# Altium PCB PM.PcbDoc (part 1 of 2) (continued)
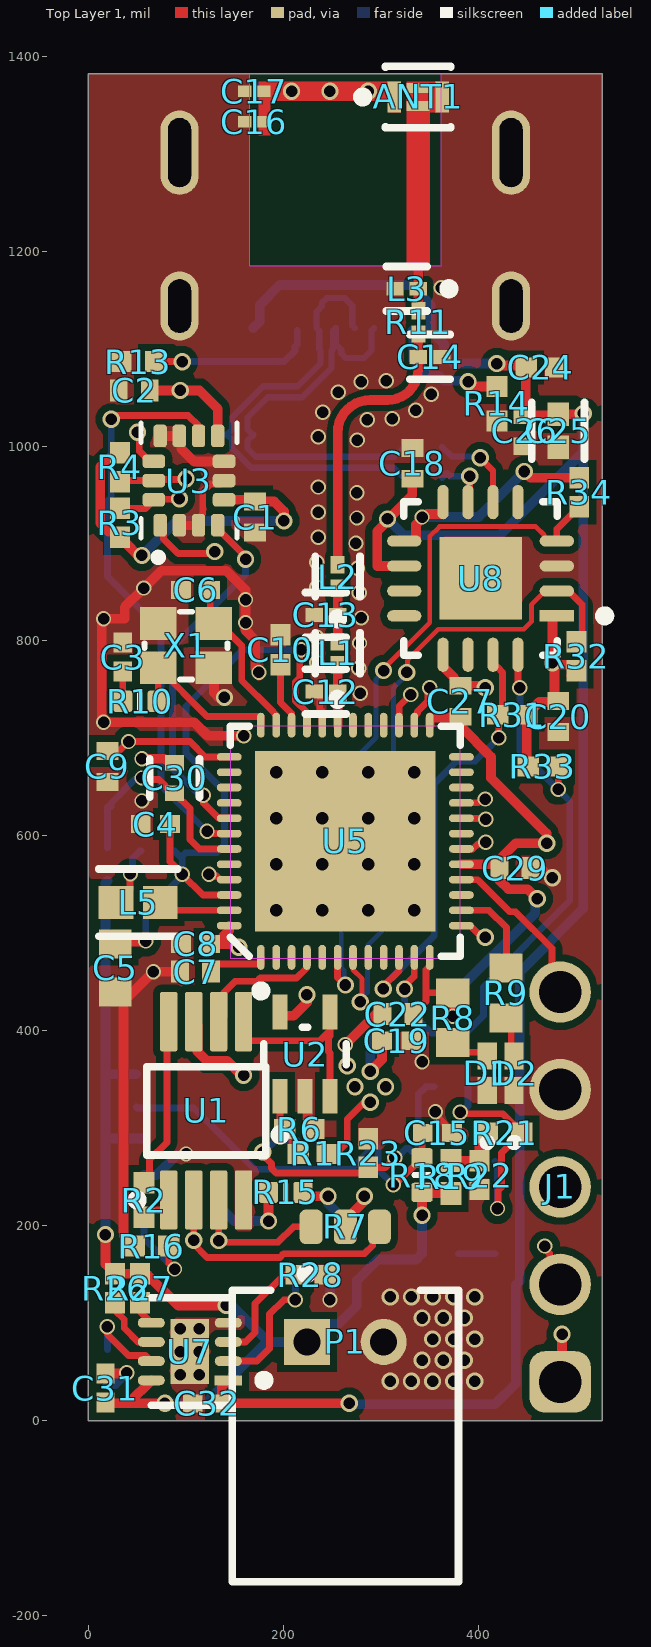
[diagram p0: Top Layer 1 view]
## Components (designator, comment, footprint, x,y, rotation, side; value= is the part's Value field where it differs from the comment) (continued)
R10 "ERJ-2GE0R00X" RESC0402(1005)_L 53.15,738.19 r180 top value=0
R11 "ERJ-1GN0R00C" FP-ERJ1GN-IPC_B 338.74,1126.97 r90 top value=0
R13 "ERJ-2GEJ512X" RESC1005X40X25NL05T05 51.18,1086.61 r180 top value=5.1k
R14 "ERJ-2GEJ512X" RESC1005X40X25NL05T05 419.29,1043.31 r270 top value=5.1k
R15 "ERJ-2GE0R00X" RESC0402(1005)_L 202.76,234.25 r180 top value=0
R16 "Resistor 100k +/-1% 0402 100 mW" RESC1005X40X25NL05T05 64.96,179.13 r0 top value=100k
R17 "RC0402FR-071RL" RESC1005X40X25NL05T10 49.21,338.58 r270 bottom value=1
R18 "ERJ-2GE0R00X" RESC0402(1005)_L 342.52,251.97 r90 top value=0
R19 "RC0402FR-0717K8L" RESC1005X40X25NL05T10 372.05,250 r90 top value=17.8k
R20 "RC0402FR-0710ML" RESC1005X40N 372.05,342.52 r180 bottom value=10M
R21 "Resistor 100k +/-1% 0402 100 mW" RESC1005X40X25NL05T05 427.17,295.28 r0 top value=100k
R22 "ERA-2AEB103X" FP-ERA2A-IPC_C 401.57,251.97 r270 top value=10k
R23 "ERA-2AEB103X" FP-ERA2A-IPC_C 287.4,274.61 r90 top value=10k
R24 "RC0402FR-0710ML" RESC1005X40N 19.68,570.87 r270 bottom value=10M
R25 "CRCW04022M20FKED" FP-CRCW0402-e3-IPC_B 19.68,647.64 r90 bottom value=2.2M
R26 "ERA-2AEB103X" FP-ERA2A-IPC_C 27.56,135.83 r90 top value=10k
R27 "ERA-2AEB103X" FP-ERA2A-IPC_C 53.15,135.83 r90 top value=10k
R28 "ERA-2AEB103X" FP-ERA2A-IPC_C 228.35,149.61 r0 top value=10k
R29 "ERJ-2RKF6040X" RESC1005X40X25NL05T05 230.32,149.61 r180 bottom value=604
R30 "ERJ-2RKF2702X" RESC1005X40X25NL05T05 19.68,55.12 r90 bottom value=27k
R31 "ERA-2AEB103X" FP-ERA2A-IPC_C 435.04,724.41 r180 top value=10k
R32 "ERA-2AEB103X" FP-ERA2A-IPC_C 500.98,784.45 r90 top value=10k
R33 "ERA-2AEB103X" FP-ERA2A-IPC_C 466.54,671.26 r0 top value=10k
R34 "ERA-2AEB103X" FP-ERA2A-IPC_C 503.94,952.76 r270 top value=10k
R35 "ERJ-2GEJ270X" RESC1005X40X25ML05T05 343.5,967.52 r0 bottom value=27
R36 "ERJ-2GEJ270X" RESC1005X40X25ML05T05 343.5,999.02 r0 bottom value=27
U1 "INA333AIDGKR" DGK0008A_M 121.06,317.91 r90 top
U2 "OPA333AIDCKR" FP-DCK0005A-MFG 222.44,375.98 r90 top locked
U3 "ICM-42688-P" PQFN50P300X250X97-14N 103.35,964.57 r90 top
U4 "INA138NA/3K" FP-DBV0005A-IPC_C 98.43,251.97 r0 bottom
U5 "nRF52840-QFAA" QFN40P600X600X90-48N 263.78,594.49 r90 top locked
U6 "MCP65R41T-1202E/CHY" SOT-23-CHY6_M 379.92,218.5 r270 bottom
U7 "BQ25170DSGR" FP-DSG0008A-IPC_B 104.21,70.87 r180 top
U8 "FT230XQ-R" FP-QFN-16-IPC_A 402.56,864.17 r180 top
X1 "FA-128 32.0000MF20X-K5" BT-XTAL_2016 100.39,795.28 r180 top

## Footprints (in the part's own frame and the unit in brackets; to place one, negate y for a bottom-side part, rotate by r counter-clockwise, add the part's x,y. Pads: shape width x height; smd on the part's side, far side on the other; paste and mask are expansions set on the pad)
61300511121 [mm] "Pin Header, pitch 2.54 mm, THT, Vertical, single row, 5p"
  rrect50% 1.6x1.6 hole 1.1: 1(-5.08,0)
  round 1.6 hole 1.1: 2(-2.54,0) 3(0,0) 4(2.54,0) 5(5.08,0)
BF350-3HA-E-Footprint-1 [mm]
  rrect50% 0.6x0.9 smd: 1(0,0) 2(-0.889,0) 3(0.889,0)
BT-XTAL_2016 [mm]
  rect 0.95x0.85 smd: 1(-0.725,-0.575) 2(0.725,-0.575) 3(0.725,0.575) 4(-0.725,0.575)
  silkscreen extent -1.08,-0.88 1.08,0.88, body extent -1.05,-0.85 1.05,0.85, height 0.56
CAPC0402(1005)33_L [mm] "Chip Capacitor, Body 1.0x0.5mm, Height 0.33mm, IPC High Density"
  rrect25% 0.5x0.55 smd: 1(-0.45,0) 2(0.45,0)
  silkscreen extent 0,-0.2 0,0.2, body extent -0.5,-0.25 0.5,0.25, height 0.55
CAPC1005X55X25LL05T10 [mm] "Chip Capacitor, 2-Leads, Body 1.00x0.50mm, IPC High Density"
  rect 0.56x0.52 smd: 1(-0.39,0) 2(0.39,0)
  body extent -0.53,-0.28 0.53,0.28, height 0.55
CAPC1608X90X35LL10T15 [mm] "Chip Capacitor, 2-Leads, Body 1.60x0.80mm, IPC High Density"
  rect 0.75x0.85 smd: 1(-0.625,0) 2(0.625,0)
  body extent -0.85,-0.45 0.85,0.45, height 0.9
DGK0008A_M [mm] "TSOP, 8-Leads, Body 3.1x3.1mm, Pitch 0.65mm, IPC Low Density"
  rrect22% 1.55x0.45 smd: 1(-2.325,0.975) 2(-2.325,0.325) 3(-2.325,-0.325) 4(-2.325,-0.975) 5(2.325,-0.975) 6(2.325,-0.325) 7(2.325,0.325) 8(2.325,0.975)
  silkscreen extent -2.45,-1.55 1.15,1.92, body extent -2.45,-1.5 2.45,1.5, height 0.94
FP-2171790001-MFG [mm]
  rect 0.6x1.15 smd paste+0 mask+0: A1-B12(-3.2,3.425) A4-B9(-2.4,3.425) B1-A12(3.2,3.425) B4-A9(2.4,3.425)
  rect 0.3x1.15 smd paste+0 mask+0: A5(-1.25,3.425) A6(-0.25,3.425) A7(0.25,3.425) A8(1.25,3.425) B5(1.75,3.425) B6(0.75,3.425) B7(-0.75,3.425) B8(-1.75,3.425)
  rrect100% 1x1.8 hole 1.4 slot 0.6 at 0 deg paste-2539.97 mask+0: SH1(-4.32,2.85) SH2(4.32,2.85)
  rrect100% 1x2.2 hole 1.8 slot 0.6 at 0 deg paste-2539.97 mask+0: SH3(-4.32,-1.15) SH4(4.32,-1.15)
  silkscreen extent -4.57,-3.35 4.57,4.7, body extent -4.47,-3.25 4.47,3.5, height 3.36
FP-ANT016-MFG [mm]
  rect 0.35x0.8 smd paste+0 mask+0: 1(-0.625,0) 4(0.625,0)
  rect 0.6x0.26 smd paste+0 mask+0: 2-3(0,-0.235) 5-6(0,0.235)
  silkscreen extent -1.57,-0.8 0.85,0.8, body extent -0.95,-0.55 0.95,0.55, height 0.25
FP-CRCW0402-e3-IPC_B [mil]
  rect 22.37x22.54 smd paste+0 mask+0: 1(-17.8,0) 2(17.8,0)
  body extent -20,-10 20,10, height 16
FP-DBV0005A-IPC_C [mm]
  rect 1.205x0.532 smd paste+0 mask+0: 1(-1.05,0.95)
  rrect100% 1.205x0.532 smd paste+0 mask+0: 2(-1.05,0) 3(-1.05,-0.95) 4(1.05,-0.95) 5(1.05,0.95)
  silkscreen extent -2.28,-1.45 0.05,1.45, body extent -1.4,-1.45 1.4,1.45, height 1.45
FP-DCK0005A-MFG [mm]
  rect 0.9x0.4 smd paste-1000 mask+0: 1(-1.1,0.65) 2(-1.1,0) 3(-1.1,-0.65) 4(1.1,-0.65) 5(1.1,0.65)
  silkscreen extent -2.22,-1.07 0.7,1.07, body extent -1.65,-1.33 1.65,1.33, height 0.25
FP-DSG0008A-IPC_B [mm]
  rect 0.706x0.257 smd paste+0 mask+0: 1(-1.003,0.75)
  rrect100% 0.706x0.257 smd paste+0 mask+0: 2(-1.003,0.25) 3(-1.003,-0.25) 4(-1.003,-0.75) 5(1.003,-0.75) 6(1.003,-0.25) 7(1.003,0.25) 8(1.003,0.75)
  rect 1x1.7 smd paste-1000 mask+0: 9(0,0)
  silkscreen extent -2.06,-1.4 1,1.4, body extent -1,-1 1,1, height 0.8
FP-ERA2A-IPC_C [mil]
  rect 22.03x20.31 smd paste+0 mask+0: 1(-14.81,0) 2(14.81,0)
  body extent -20,-10 20,10, height 16
FP-ERJ1GN-IPC_B [mil]
  rect 17.88x14.28 smd paste+0 mask+0: 1(-11.98,0) 2(11.98,0)
  body extent -27,-13 27,13, height 10
FP-ERJ3EK-IPC_C [mil]
  rect 29.78x33.94 smd paste+0 mask+0: 1(-25.62,0) 2(25.62,0)
  body extent -44,-23 44,23, height 10
FP-GJM033-0_03-ANT [mm]
  rect 0.35x0.3 smd paste+0 mask+0: 1(-0.25,0) 2(0.25,0)
  body extent -0.5,-0.27 0.5,0.26, height 0.25
FP-GJM033-0_03-IPC_B [mil]
  rect 17.88x14.28 smd paste+0 mask+0: 1(-11.98,0) 2(11.98,0)
  silkscreen extent -21,-23 21,23, body extent -27,-13 27,13, height 10
FP-GRM15-IPC_B [mil]
  rect 18.32x22.54 smd paste+0 mask+0: 1(-15.89,0) 2(15.89,0)
  body extent -12,-6 12,6, height 13
FP-GRM155-0_05-IPC_B [mil]
  rect 24.23x22.54 smd paste+0 mask+0: 1(-16.87,0) 2(16.87,0)
  silkscreen extent -29,-27 29,27, body extent -20,-10 20,10, height 22
FP-GRM155-0_05-IPC_C [mil]
  rect 20.29x18.6 smd paste+0 mask+0: 1(-14.9,0) 2(14.9,0)
  body extent -29,-15 29,15, height 10
FP-GRM155-0_05-MFG [mm]
  rect 0.4x0.5 smd paste+0 mask+0: 1(-0.4,0) 2(0.4,0)
  silkscreen extent -0.5,-0.65 0.5,0.65, body extent -0.7,-0.38 0.7,0.38, height 0.25
FP-LQG15HH_02-IPC_B [mil]
  rect 24.23x22.54 smd paste+0 mask+0: 1(-16.87,0) 2(16.87,0)
  silkscreen extent -59,-27 29,27, body extent -20,-10 20,10, height 22
FP-LQM18DN_70-IPC_C [mil]
  rect 35.67x33.79 smd paste+0 mask+0: 1(-22.68,0) 2(22.68,0)
  silkscreen extent -41,-34 41,34, body extent -44,-23 44,23, height 10
FP-LQP03PN_02-IPC_B [mil]
  rect 17.88x14.28 smd paste+0 mask+0: 1(-11.98,0) 2(11.98,0)
  silkscreen extent -52,-23 21,23, body extent -27,-13 27,13, height 10
FP-LQP03TG_02-IPC_B [mil]
  rect 17.88x14.28 smd paste+0 mask+0: 1(-11.98,0) 2(11.98,0)
  silkscreen extent -48,-23 21,23, body extent -27,-13 27,13, height 10
FP-QFN-16-IPC_A [mm]
  rect 0.894x0.292 smd paste+0 mask+0: 1(-1.989,0.975)
  rrect100% 0.894x0.292 smd paste+0 mask+0: 2(-1.989,0.325) 3(-1.989,-0.325) 4(-1.989,-0.975) 9(1.989,-0.975) 10(1.989,-0.325) 11(1.989,0.325) 12(1.989,0.975)
  rrect100% 0.292x0.894 smd paste+0 mask+0: 5(-0.975,-1.989) 6(-0.325,-1.989) 7(0.325,-1.989) 8(0.975,-1.989) 13(0.975,1.989) 14(0.325,1.989) 15(-0.325,1.989) 16(-0.975,1.989)
  rect 2.15x2.15 smd paste-1000 mask+0: 17(0,0)
  silkscreen extent -3.36,-2 2,2, body extent -2,-2 2,2, height 0.8
JST-S2B-PH-K-S_V [mm] "THD, 2-Leads, Body 7.6x5.9mm, Pitch 2mm"
  rect 1.2x1.2 hole 0.7: 1(-1,2.45)
  round 1.2 hole 0.7: 2(1,2.45)
  silkscreen extent -2.95,-3.8 2.95,4.35, body extent -2.95,-3.8 2.95,3.8, height 4.8
LED_APHHS1005LCGCK [mm]
  rect 0.7x0.5 smd mask+0.05: 1(-0.45,0) 2(0.45,0)
  silkscreen extent -1.9,-0.1 -1.7,0.1, body extent -0.5,-0.25 0.5,0.25, height 0.5
PQFN50P300X250X97-14N [mm]
  rrect50% 0.59x0.35 smd mask+0: 1(-1.165,0.75) 2(-1.165,0.25) 3(-1.165,-0.25) 4(-1.165,-0.75) 8(1.165,-0.75) 9(1.165,-0.25) 10(1.165,0.25) 11(1.165,0.75)
  rrect50% 0.35x0.59 smd mask+0: 5(-0.5,-0.915) 6(0,-0.915) 7(0.5,-0.915) 12(0.5,0.915) 13(0,0.915) 14(-0.5,0.915)
  silkscreen extent -2.1,-1.25 1.5,1.25, body extent -1.5,-1.25 1.5,1.25, height 0.97
QFN40P600X600X90-48N [mm]
  oval 0.65x0.2 smd: 1(-3.025,2.2) 2(-3.025,1.8) 3(-3.025,1.4) 4(-3.025,1) 5(-3.025,0.6) 6(-3.025,0.2) 7(-3.025,-0.2) 8(-3.025,-0.6) 9(-3.025,-1) 10(-3.025,-1.4) 11(-3.025,-1.8) 12(-3.025,-2.2) 25(3.025,-2.2) 26(3.025,-1.8) 27(3.025,-1.4) 28(3.025,-1) 29(3.025,-0.6) 30(3.025,-0.2) 31(3.025,0.2) 32(3.025,0.6) 33(3.025,1) 34(3.025,1.4) 35(3.025,1.8) 36(3.025,2.2)
  oval 0.2x0.65 smd: 13(-2.2,-3.025) 14(-1.8,-3.025) 15(-1.4,-3.025) 16(-1,-3.025) 17(-0.6,-3.025) 18(-0.2,-3.025) 19(0.2,-3.025) 20(0.6,-3.025) 21(1,-3.025) 22(1.4,-3.025) 23(1.8,-3.025) 24(2.2,-3.025) 37(2.2,3.025) 38(1.8,3.025) 39(1.4,3.025) 40(1,3.025) 41(0.6,3.025) 42(0.2,3.025) 43(-0.2,3.025) 44(-0.6,3.025) 45(-1,3.025) 46(-1.4,3.025) 47(-1.8,3.025) 48(-2.2,3.025)
  rect 4.7x4.7 smd: 49(0,0)
  silkscreen extent -4.02,-3 3,3, body extent -3.02,-3.02 3.02,3.02, height 0.86
RESC0402(1005)_L [mm] "Chip Resistor, Body 1.0x0.5mm, IPC High Density"
  rrect25% 0.5x0.55 smd: 1(-0.45,0) 2(0.45,0)
  silkscreen extent 0,-0.2 0,0.2, body extent -0.5,-0.25 0.5,0.25, height 0.3
RESC1005X40N [mm]
  rect 0.54x0.6 smd: 1(-0.432,0) 2(0.432,0)
RESC1005X40X25ML05T05 [mm] "Chip Resistor, 2-Leads, Body 1.00x0.50mm, IPC Low Density"
  rect 0.65x0.65 smd: 1(-0.5,0) 2(0.5,0)
  body extent -0.53,-0.27 0.53,0.28, height 0.4
RESC1005X40X25NL05T05 [mm] "Chip Resistor, 2-Leads, Body 1.00x0.50mm, IPC Medium Density"
  rect 0.55x0.55 smd: 1(-0.45,0) 2(0.45,0)
  body extent -0.53,-0.27 0.53,0.28, height 0.4
RESC1005X40X25NL05T10 [mm] "Chip Resistor, 2-Leads, Body 1.00x0.50mm, IPC Medium Density"
  rect 0.6x0.55 smd: 1(-0.425,0) 2(0.425,0)
  body extent -0.53,-0.27 0.53,0.28, height 0.4
SOT95P280X130-5N [mm]
  rect 0.9x0.6 smd: 1(-1.4,0.95) 2(-1.4,0) 3(-1.4,-0.95) 4(1.4,-0.95) 5(1.4,0.95)
  silkscreen extent -1.85,-1.45 0.6,1.5
SOT-23-CHY6_M [mm] "SOT23, 6-Leads, Body 2.9x1.7mm, Pitch 0.95mm, Lead Span 2.8mm, IPC Low Density"
  rect 1.3x0.7 smd: 1(-1.2,0.95) 2(-1.2,0) 3(-1.2,-0.95) 4(1.2,-0.95) 5(1.2,0) 6(1.2,0.95)
  silkscreen extent -1.32,-1.55 0.15,1.97, body extent -0.9,-1.55 0.9,1.55, height 1.45

## Part data
ANT1: library part CMP-00025-00005-2, "RF/Microwave Antenna, 2400MHz Min, 2484MHz Max", Max Operating Temperature=85°C, Min Operating Temperature=-40°C, Characteristic Impedance=50R, Construction=COMPONENT, RoHS Compliant=Yes
B1: library part CMP-037-000000-1, "LDO Voltage Regulators 700mA High Speed Votage Regulator", Manufacturer_Name=Torex, Mouser Part Number=865-XC6210B332MR-G, Datasheet Link=https://www.torexsemi.com/file/xc6210/XC6210.pdf, Design Item ID=XC6210B332MR-G, Geometry.Height=1.3mm, Manufacturer_Part_Number=XC6210B332MR-G, Mouser Price/Stock=https://www.mouser.co.uk/ProductDetail/Torex-Semiconductor/XC6210B332MR-G?qs=AsjdqWjXhJ%2FS4LOuBYdYHQ%3D%3D, Source=XC6210B332MR-G.SchLib
C1 C2 C7 C9 C18 C20 C22 C26 C27 C29: library part CMP-001-00099-3, "Ceramic Capacitor, Multilayer, Ceramic, 16V, 10% +Tol, 10% -Tol, X7R, 15% TC, 0.1uF, Surface Mount, 0402", Capacitor Type=Ceramic, Case/Package=0402, Max Operating Temperature=125°C, Min Operating Temperature=-55°C, Package Shape=Rectangular, Package Style=SMTMeter, Rated DC Voltage (URdc)=16V, Temperature Characteristics Code=X7R, Tolerance  (fill in as +-)=10%, Dielectric Material=Ceramic, Height=0.5mm, JESD-609 Code=e3, Length=1mm, Mounting Technology="Surface Mount", Multilayer=Yes, Packaging="Tape and Reel", Pins=2, Reach SVHC Compliant=Yes, RoHS Compliant=Yes, Terminal Finish=Nickel, Termination=Wraparound, Tolerance (fill in as +-)=10%, Width=0.5mm
C3 C6: library part CMP-001-00103-1, "Ceramic Capacitor, Multilayer, Ceramic, 50V, 1% +Tol, 1% -Tol, C0G, 30ppm/Cel TC, 0.00001uF, Surface Mount, 0402", Capacitor Type=Ceramic, Case/Package=0402, Max Operating Temperature=125°C, Min Operating Temperature=-55°C, Package Shape=Rectangular, Rated DC Voltage (URdc)=50V, Temperature Characteristics Code=C0G, Tolerance  (fill in as +-)=1%, Dielectric Material=Ceramic, JESD-609 Code=e3, Mounting Technology="Surface Mount", Multilayer=Yes, Packaging="Tape and Reel", Pins=2, Reach SVHC Compliant=Yes, RoHS Compliant=Yes, Terminal Finish=Nickel, Termination=Wraparound, Tolerance (fill in as +-)=1%
C4 C8 C15 C19 C31 C32: library part CMP-001-00098-4, "Ceramic Capacitor, Multilayer, Ceramic, 6.3V, 10% +Tol, 10% -Tol, X7R, 15% TC, 1uF, Surface Mount, 0402", Capacitor Type=Ceramic, Case/Package=0402, Max Operating Temperature=125°C, Min Operating Temperature=-55°C, Package Shape=Rectangular, Package Style=SMTMeter, Rated DC Voltage (URdc)=6.3V, Temperature Characteristics Code=X7R, Tolerance  (fill in as +-)=10%, Dielectric Material=Ceramic, Height=0.5mm, JESD-609 Code=e3, Length=1mm, Mounting Technology="Surface Mount", Multilayer=Yes, Packaging="Tape and Reel", Pins=2, Reach SVHC Compliant=Yes, RoHS Compliant=Yes, Terminal Finish=Nickel, Termination=Wraparound, Tolerance (fill in as +-)=10%, Width=0.5mm
C5: library part CMP-001-00113-1, "Ceramic Capacitor, Multilayer, Ceramic, 50V, 10% +Tol, 10% -Tol, X7R, 15% TC, 0.047uF, Surface Mount, 0603", Capacitor Type=Ceramic, Case/Package=0603, Max Operating Temperature=125°C, Min Operating Temperature=-55°C, Package Shape=Rectangular, Package Style=SMTMeter, Rated DC Voltage (URdc)=50V, Temperature Characteristics Code=X7R, Tolerance  (fill in as +-)=10%, Dielectric Material=Ceramic, Height=0.8mm, JESD-609 Code=e3, Length=1.6mm, Mounting Technology="Surface Mount", Multilayer=Yes, Packaging="Tape and Reel", Pins=2, Reach SVHC Compliant=Yes, RoHS Compliant=Yes, Terminal Finish=Nickel, Termination=Wraparound, Tolerance (fill in as +-)=10%, Width=0.8mm
C10: library part CMP-001-00104-1, "Ceramic Capacitor, Multilayer, Ceramic, 50V, 5% +Tol, 5% -Tol, C0G, 30ppm/Cel TC, 0.0001uF, Surface Mount, 0402", Capacitor Type=Ceramic, Case/Package=0402, Max Operating Temperature=125°C, Min Operating Temperature=-55°C, Package Shape=Rectangular, Package Style=SMTMeter, Rated DC Voltage (URdc)=50V, Temperature Characteristics Code=C0G, Tolerance  (fill in as +-)=5%, Dielectric Material=Ceramic, Height=0.5mm, JESD-609 Code=e3, Length=1mm, Mounting Technology="Surface Mount", Multilayer=Yes, Packaging="Tape and Reel", Pins=2, Reach SVHC Compliant=Yes, RoHS Compliant=Yes, Terminal Finish=Nickel, Termination=Wraparound, Tolerance (fill in as +-)=5%, Width=0.5mm
C11: library part CMP-001-00070-3, "Chip Capacitor, 680pF +/-20%, 50V, 0402, Thickness 0.33 mm", Case/Package=0402, Max Operating Temperature=85°C, Min Operating Temperature=-55°C, Tolerance=10%, Voltage Rating=50V, Mounting Technology=SMT, Pins=2
C12: library part CMP-001-00101-2, "Ceramic Capacitor, Multilayer, Ceramic, 50V, 10% +Tol, 10% -Tol, C0G, 30ppm/Cel TC, 0.000001uF, Surface Mount, 0201", Capacitor Type=Ceramic, Dielectric Material=Ceramic, JESD-609 Code=e3, Pins=2, Reach SVHC Compliant=Yes, RoHS Compliant=Yes, Terminal Finish=Nickel
C13: library part CMP-001-00107-2, "Ceramic Capacitor, Multilayer, Ceramic, 50V, 8.33% +Tol, 8.33% -Tol, C0G, 30ppm/Cel TC, 0.0000012uF, Surface Mount, 0201", Capacitor Type=Ceramic, Case/Package=0201, Max Operating Temperature=125°C, Min Operating Temperature=-55°C, Package Shape=Rectangular, Rated DC Voltage (URdc)=50V, Temperature Characteristics Code=C0G, Tolerance  (fill in as +-)=8.33%, Dielectric Material=Ceramic, JESD-609 Code=e3, Mounting Technology="Surface Mount", Multilayer=Yes, Packaging="Tape and Reel", Pins=2, Reach SVHC Compliant=Yes, RoHS Compliant=Yes, Terminal Finish=Nickel, Termination=Wraparound, Tolerance (fill in as +-)=8.33%
C14 C16 C17: library part CMP-001-00097-2, "Ceramic Capacitor, Multilayer, Ceramic, 50V, 6.25% +Tol, 6.25% -Tol, C0G, 30ppm/Cel TC, 0.0000016uF, Surface Mount, 0201", Capacitor Type=Ceramic, Case/Package=0201, Max Operating Temperature=125°C, Min Operating Temperature=-55°C, Dielectric Material=Ceramic, Mounting Technology="Surface Mount", Pins=2, RoHS Compliant=Yes
C21 C23: library part CMP-001-00106-1, "Ceramic Capacitor, Multilayer, Ceramic, 50V, 5% +Tol, 5% -Tol, C0G, 30ppm/Cel TC, 0.000047uF, Surface Mount, 0402", Capacitor Type=Ceramic, Case/Package=0402, Max Operating Temperature=125°C, Min Operating Temperature=-55°C, Package Shape=Rectangular, Package Style=SMTMeter, Rated DC Voltage (URdc)=50V, Temperature Characteristics Code=C0G, Tolerance  (fill in as +-)=5%, Dielectric Material=Ceramic, Height=0.5mm, JESD-609 Code=e3, Length=1mm, Mounting Technology="Surface Mount", Multilayer=Yes, Packaging="Tape and Reel", Pins=2, Reach SVHC Compliant=Yes, RoHS Compliant=Yes, Terminal Finish=Nickel, Termination=Wraparound, Tolerance (fill in as +-)=5%, Width=0.5mm
C24: library part CMP-001-00105-1, "Ceramic Capacitor, Multilayer, Ceramic, 25V, 10% +Tol, 10% -Tol, X7R, 15% TC, 0.01uF, Surface Mount, 0402", Capacitor Type=Ceramic, Case/Package=0402, Max Operating Temperature=125°C, Min Operating Temperature=-55°C, Package Shape=Rectangular, Package Style=SMTMeter, Rated DC Voltage (URdc)=25V, Temperature Characteristics Code=X7R, Tolerance  (fill in as +-)=10%, Dielectric Material=Ceramic, Height=0.5mm, JESD-609 Code=e3, Length=1mm, Mounting Technology="Surface Mount", Multilayer=Yes, Packaging="Tape and Reel", Pins=2, Reach SVHC Compliant=Yes, RoHS Compliant=Yes, Terminal Finish=Nickel, Termination=Wraparound, Tolerance (fill in as +-)=10%, Width=0.5mm
C25: library part CMP-001-00112-1, "Ceramic Capacitor, Multilayer, Ceramic, 50V, 5.32% +Tol, 5.32% -Tol, C0G, 30ppm/Cel TC, 0.0000047uF, Surface Mount, 0402", Capacitor Type=Ceramic, Case/Package=0402, Max Operating Temperature=125°C, Min Operating Temperature=-55°C, Dielectric Material=Ceramic, Height=0.5mm, Mounting Technology="Surface Mount", Pins=2, RoHS Compliant=Yes
C30: library part CMP-001-00110-1, "Ceramic Capacitor, Multilayer, Ceramic, 25V, 5% +Tol, 5% -Tol, X7R, 15% TC, 0.022uF, Surface Mount, 0402", Capacitor Type=Ceramic, Case/Package=0402, Max Operating Temperature=125°C, Min Operating Temperature=-55°C, Package Shape=Rectangular, Rated DC Voltage (URdc)=25V, Temperature Characteristics Code=X7R, Tolerance  (fill in as +-)=5%, Dielectric Material=Ceramic, JESD-609 Code=e3, Mounting Technology="Surface Mount", Multilayer=Yes, Packaging="Tape and Reel", Pins=2, Reach SVHC Compliant=Yes, RoHS Compliant=Yes, Terminal Finish=Nickel, Termination=Wraparound, Tolerance (fill in as +-)=5%
D1 D2: library part CMP-004-00031-2, "Green 570nm LED Indication - Discrete 1.9V 0402 (1005 Metric)", Case/Package="0402 Kingbright Corporation", Check_prices=https://www.snapeda.com/parts/APHHS1005LCGCK/Kingbright/view-part/?ref=eda, Component Type=Standard, Design Item ID=APHHS1005LCGCK, MF=Kingbright, MP=APHHS1005LCGCK, Pins=2, SnapEDA_Link=https://www.snapeda.com/parts/APHHS1005LCGCK/Kingbright/view-part/?ref=snap, Source=APHHS1005LCGCK.SchLib
J1: library part CMP-002-00073-4, "Board Connector, 5 Contact(s), 1 Row(s), Male, Straight, 0.1 inch Pitch, Solder Terminal, Locking, Black Insulator, Plug", Max Operating Temperature=125°C, Min Operating Temperature=-40°C, Body Breadth=0.1inch, Body Depth=0.1inch, Body Length=0.5inch, Body/Shell Style=PLUG, Connector Type="BOARD CONNECTOR", Mounting Technology=Board, RoHS Compliant=Yes
J3: library part CMP-002-00078-2, "USB Connector, 16 Contact(s), Female, Right Angle, Surface Mount Terminal, Locking, Receptacle"
L1: library part CMP-006-00026-1, "Inductor RF Chip Thick Film 0.0047uH 5% 500MHz 10Q-Factor 0.9A 0.14Ohm DCR 0201 T/R", Case Code (Imperial)=0201, Case Code (Metric)=0603, Current Rating=900mA, Max Operating Temperature=125°C, Min Operating Temperature=-55°C, Self Resonant Frequency=4.4GHz, Tolerance=5%, Case/Package=0201, Mounting Technology="Surface Mount", RoHS Compliant=Yes
L2: library part CMP-006-00028-1, "General Purpose Inductor, 0.0022uH, 4.545%, 1 Element, SMD, 0201", Case/Size Code=0201, DC Resistance (DCR)=150mR, Inductance-Nom (L)=0.0022uH, Inductor Application="RF INDUCTOR", Inductor Type="GENERAL PURPOSE INDUCTOR", Max Current Rating=600mA, Max Operating Temperature=125°C, Min Operating Temperature=-55°C, Package Height=0.3mm, Package Length=0.6mm, Package Style=SMTMeter, Self Resonant Frequency=11GHz, Test Frequency=500MHz, Tolerance=4.545%, Channels=1, Construction=Chip, JESD-609 Code=e3, Package Width=0.3mm, Packaging="Tape and Reel", Pins=2, Quality Factor-Min (at L-nom)=14, Reach SVHC Compliant=Yes, RoHS Compliant=Yes, Shape/Size Description="RECTANGULAR PACKAGE", Shielding=Unshielded, Surface Mount=Yes, Terminal Finish=Nickel, Terminal Placement="Dual Ended", Termination=Wraparound
L3: library part CMP-006-00027-1, "General Purpose Inductor, 0.0035uH, 2.857%, 1 Element, SMD, 0201", Case/Size Code=0201, DC Resistance (DCR)=250mR, Inductance-Nom (L)=0.0035uH, Inductor Application="RF INDUCTOR", Inductor Type="GENERAL PURPOSE INDUCTOR", Max Current Rating=450mA, Max Operating Temperature=125°C, Min Operating Temperature=-55°C, Package Height=0.3mm, Package Length=0.6mm, Package Style=SMTMeter, Self Resonant Frequency=7GHz, Test Frequency=500MHz, Tolerance=2.857%, Channels=1, Construction=Chip, JESD-609 Code=e3, Package Width=0.3mm, Packaging="Tape and Reel", Pins=2, Quality Factor-Min (at L-nom)=14, Reach SVHC Compliant=Yes, RoHS Compliant=Yes, Shape/Size Description="RECTANGULAR PACKAGE", Shielding=Unshielded, Surface Mount=Yes, Terminal Finish=Tin, Terminal Placement="Dual Ended", Termination=Wraparound
L4: library part CMP-006-00029-1, "General Purpose Inductor, 0.015uH, 5%, 1 Element, Air-Core, SMD, 0402", Case/Size Code=0402, DC Resistance (DCR)=320mR, Max Current Rating=450mA, Max Operating Temperature=125°C, Min Operating Temperature=-55°C, Self Resonant Frequency=2.5GHz, Tolerance=5%, Construction="Multilayer Chip", Core Material=Air, Pins=2, RoHS Compliant=Yes
L5: library part CMP-006-00030-1, "General Purpose Inductor, 10uH, 20%, 1 Element, Ferrite-Core, SMD, 0603"
P1: library part CMP-002-00030-3, "S2B Series 2 Circuit 2 mm Pitch Side Entry Through Hole Shrouded Header", Case/Package=S2B-PH-K-S, Manufacturer="Japan Solderless Terminals", Max Operating Temperature=85°C, Min Operating Temperature=-25°C, Package Description="Male Header, Pitch 2 mm, 1 x 2 Position, Height 4.8 mm, Tail Length 3.4 mm", Connector Type=Header, Datasheet URL=http://www.jst-mfg.com/product/pdf/eng/ePH.pdf, Datasheet Version=Dec-12, Gender=Male, Mounting Technology=SM, Package Reference=S2B-PH-K-S, RoHS Compliant=Unknown
R1 R3 R4 R6 R22 R23 R26 R27 R28 R31 R32 R33 R34: library part CMP-009-00193-1, "Fixed Resistor, Thin Film, 0.063W, 10000ohm, 50V, 0.1% +/-Tol, 25ppm/Cel, Surface Mount, 0402", Case/Package=0402, Max Operating Temperature=155°C, Min Operating Temperature=-55°C, Package Height=0.35mm, Package Length=1mm, Package Width=0.5mm, Power=63mW, Rated Temperature=85°C, Resistor Type="FIXED RESISTOR", Temperature Coefficient (ppm/Cel)=25, Tolerance=0.1%, Working Voltage=25V, Construction=Rectangular, JESD-609 Code=e3, Mounting Technology="Surface Mount", Packaging="Tape and Reel", Pins=2, Reach SVHC Compliant=Yes, Reference Standard=AEC-Q200, RoHS Compliant=Yes, Technology="THIN FILM", Terminal Finish=Nickel, Termination=Wraparound
R2: library part CMP-009-00192-1, "Fixed Resistor, Metal Glaze/thick Film, 0.1W, 100ohm, 50V, 5% +/-Tol, 200ppm/Cel, Surface Mount, 0402", Case/Package=0402, Max Operating Temperature=155°C, Min Operating Temperature=-55°C, Package Height=0.35mm, Package Length=1mm, Package Shape=Rectangular, Package Width=0.5mm, Power=100mW, Rated Temperature=70°C, Resistor Type="FIXED RESISTOR", Temperature Coefficient (ppm/Cel)=200, Tolerance=5%, Working Voltage=50V, Construction=Rectangular, JESD-609 Code=e3, Mounting Technology="Surface Mount", Packaging="Tape and Reel", Pins=2, Reach SVHC Compliant=Yes, Reference Standard=AEC-Q200, RoHS Compliant=Yes, Technology="METAL GLAZE/THICK FILM", Terminal Finish=Nickel, Termination=Wraparound
R5 R7: library part CMP-009-00177-2, "STRAIN GAUGE, SHEAR, 350OHM +/- 3OHM", Design Item ID=BF350-3HA-E, Pins=3, Source=Power_Meter.SchLib
R8 R9: library part CMP-009-00195-1, "Fixed Resistor, Metal Glaze/thick Film, 0.1W, 680ohm, 75V, 1% +/-Tol, 100ppm/Cel, Surface Mount, 0603", Case/Package=0603, Max Operating Temperature=155°C, Min Operating Temperature=-55°C, Package Height=0.45mm, Package Length=1.6mm, Package Shape=Rectangular, Package Width=0.8mm, Power=100mW, Rated Temperature=70°C, Resistor Type="FIXED RESISTOR", Temperature Coefficient (ppm/Cel)=100, Tolerance=1%, Working Voltage=75V, Construction=Rectangular, JESD-609 Code=e3, Mounting Technology="Surface Mount", Packaging="Tape and Reel", Pins=2, Reach SVHC Compliant=Yes, Reference Standard=AEC-Q200, RoHS Compliant=Yes, Technology="METAL GLAZE/THICK FILM", Terminal Finish=Nickel, Termination=Wraparound
R10 R15 R18: library part CMP-009-00148-3, "Jumper 0402", Case/Package=0402, Max Operating Temperature=155°C, Min Operating Temperature=-55°C, Pins=2
R11: library part CMP-009-00190-2, "Zero Ohm Resistor, Jumper, 0201 [0603 Metric], Thick Film, 50 mW, 500 mA, Surface Mount", Case Code (Imperial)=0201, Case Code (Metric)=0603, Max Operating Temperature=125°C, Min Operating Temperature=-55°C, Tolerance=1%, Voltage Rating=25V, Case/Package=0201, Contact Plating=Tin, Mounting Technology="Surface Mount", RoHS Compliant=Yes